# Altium PCB Jetson AGX Xavier Carrier Board.PcbDoc (part 1 of 4)
Units mil, origin at the board's own origin, x right, y up, seen from the top; angles counter-clockwise.
Board outline 6000 x 4000 mil, 10 copper layers (Top Layer, Int1 (GND), Int2 (PWR), Int3 (Sign), Int4 (GND, Int5 (GND), Int6 (Sign), Int7 (PWR), Int8 (GND), Bottom Layer), stack 61.78 mil thick; 553 components, 749 nets, 2510 pads, 297 vias.
Unrouted connection lines stored in the file: 1324.
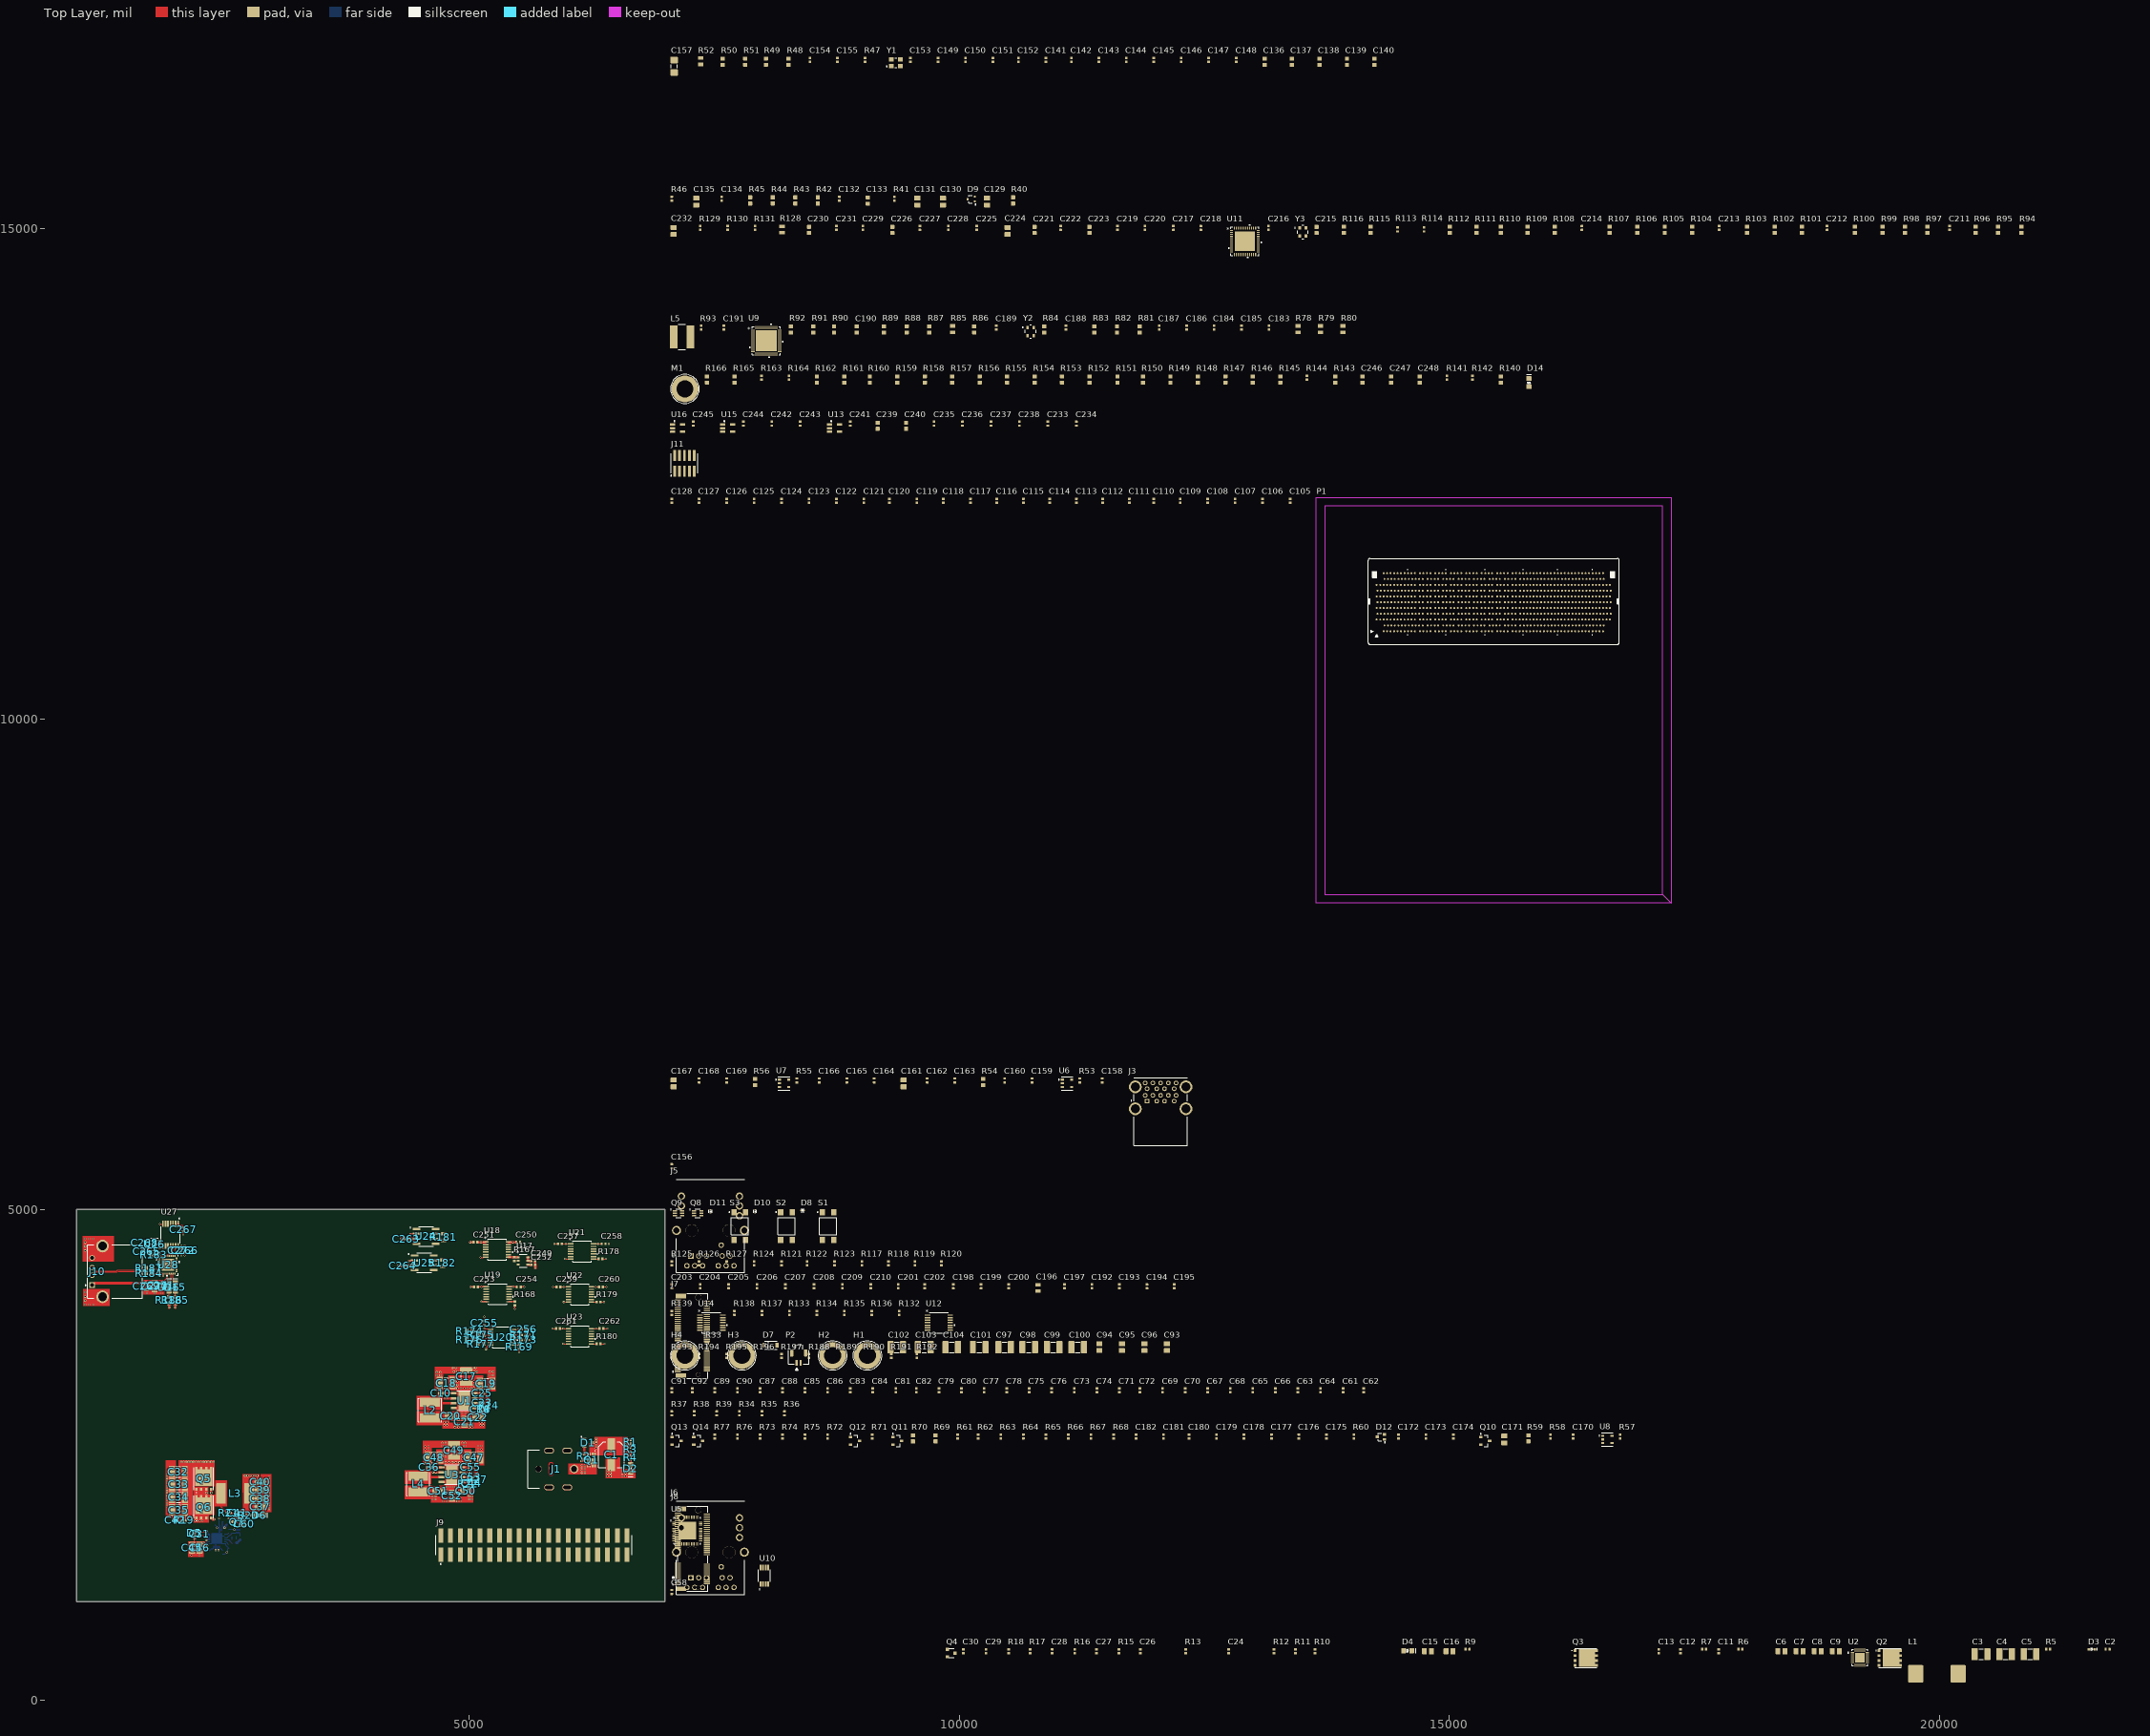
[diagram p0: Top Layer view]
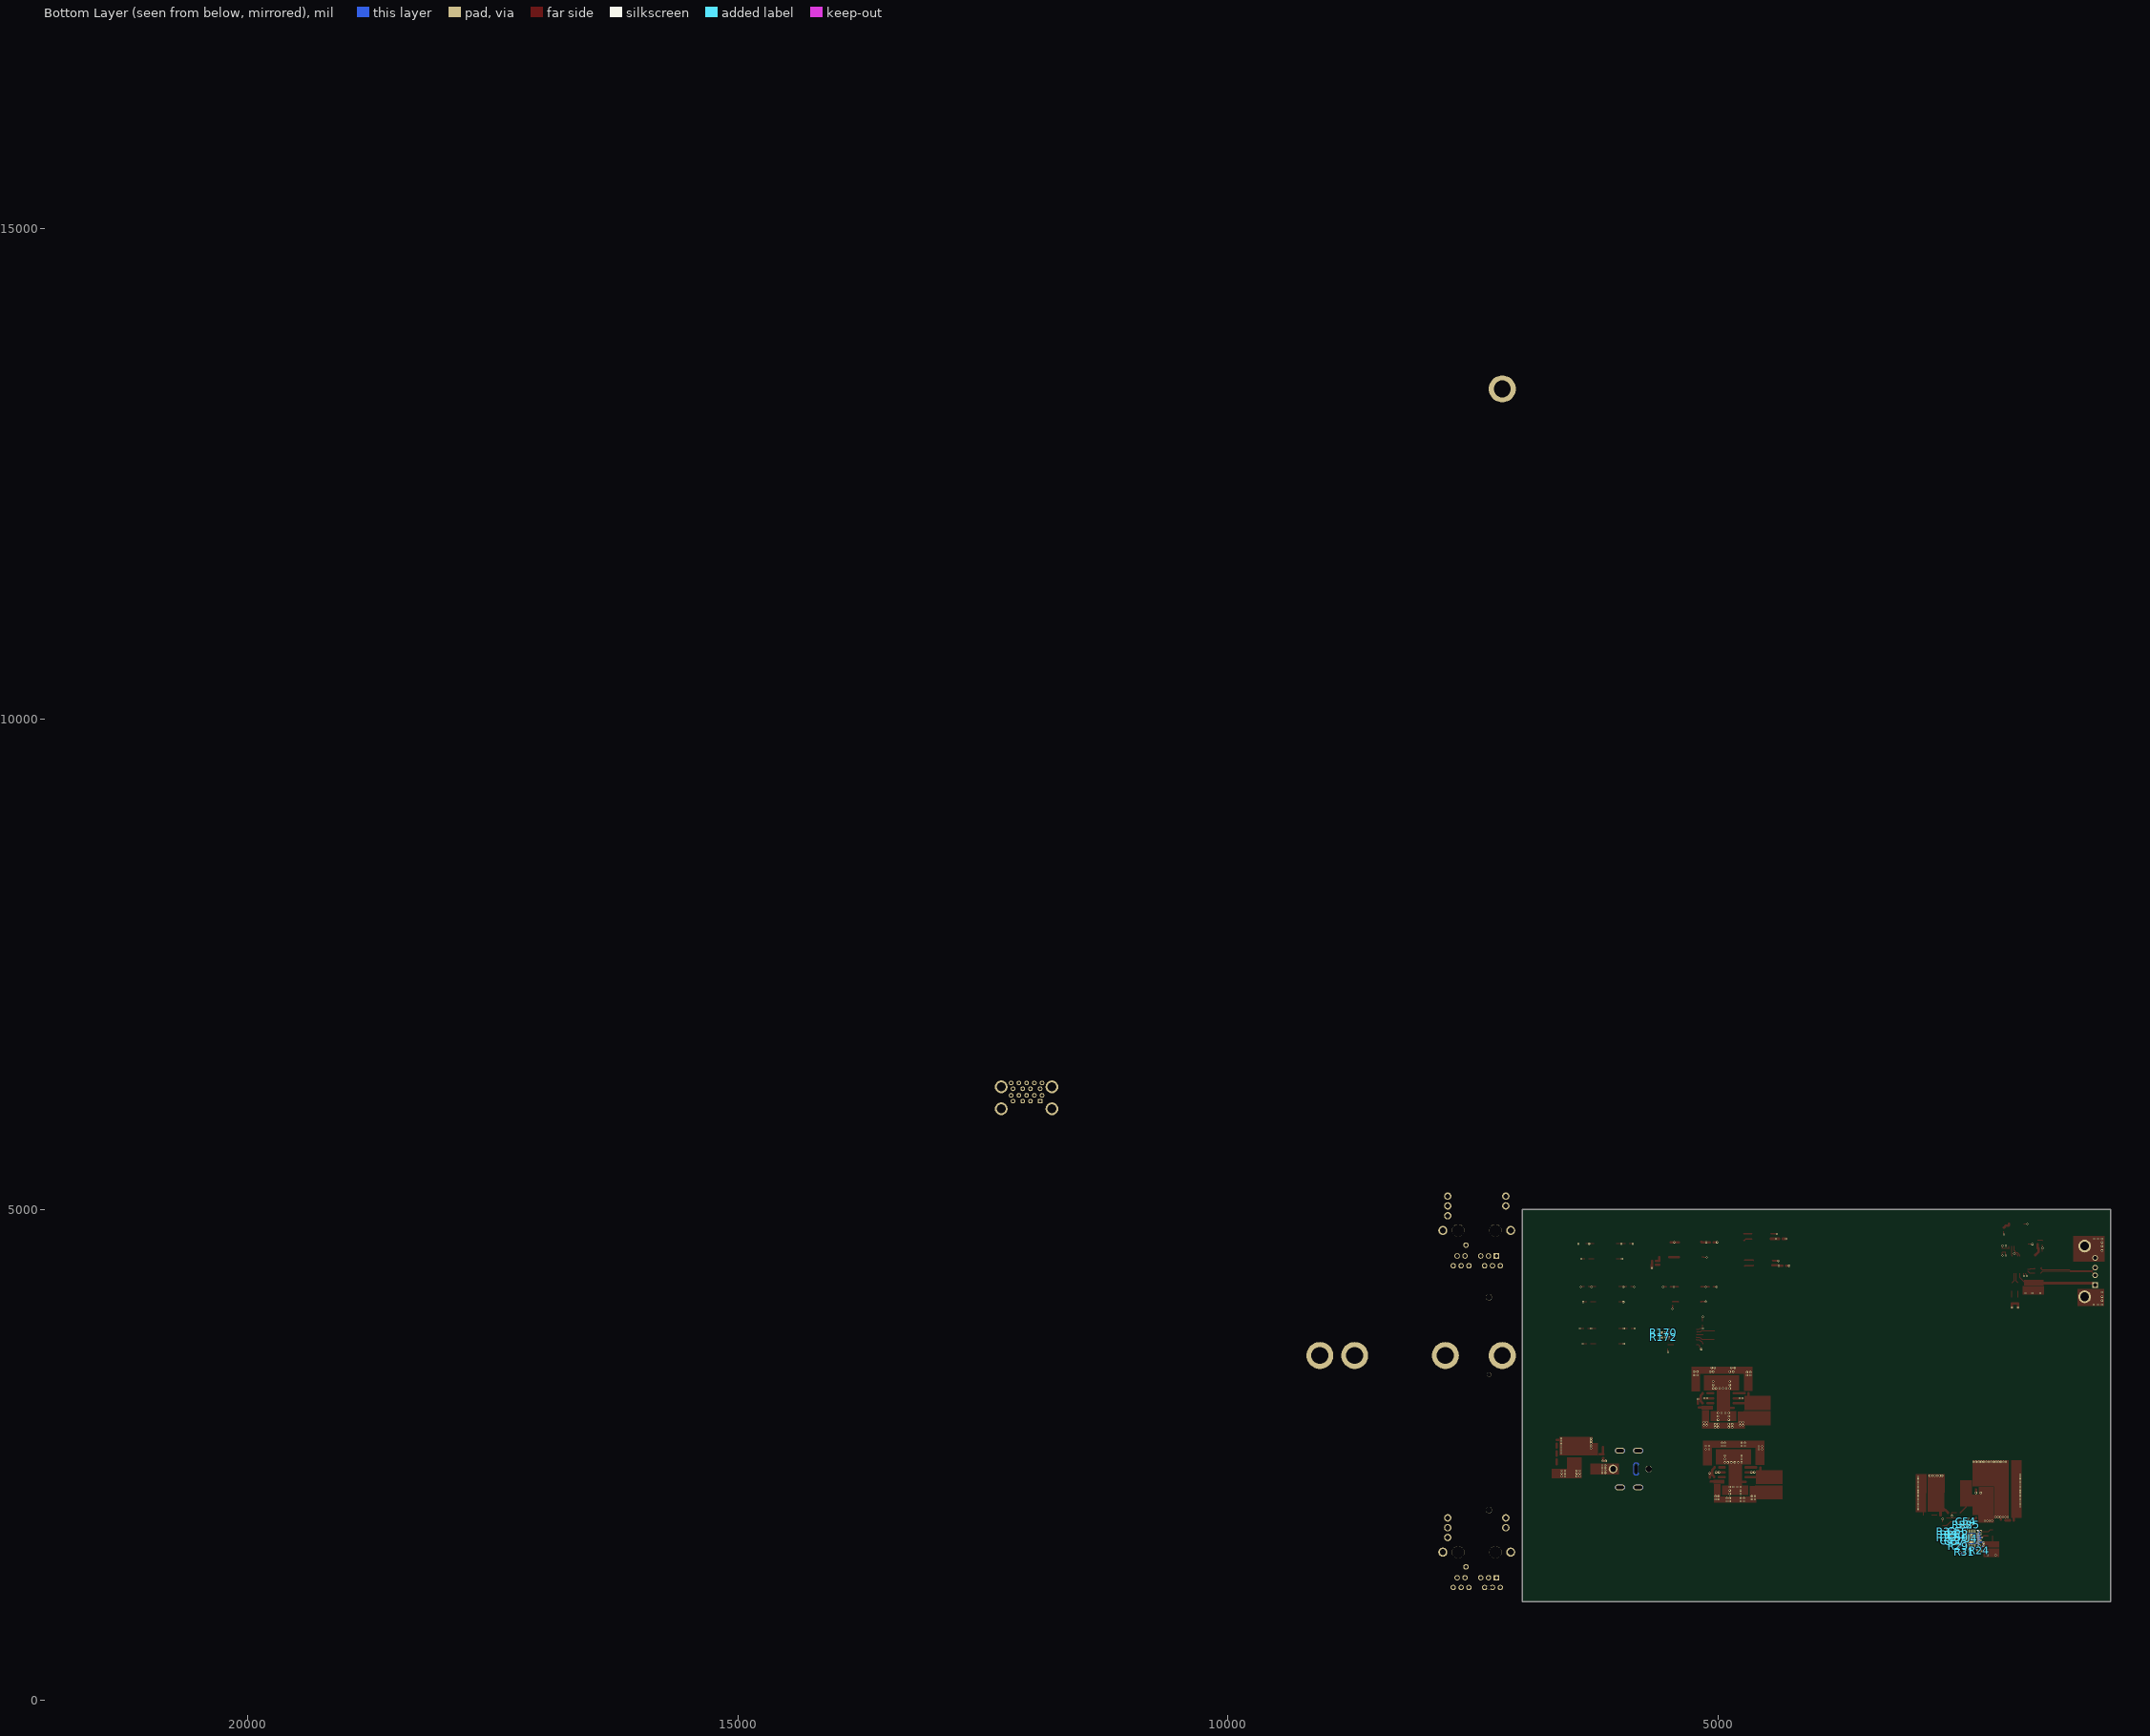
[diagram p1: Bottom Layer view, seen from below]
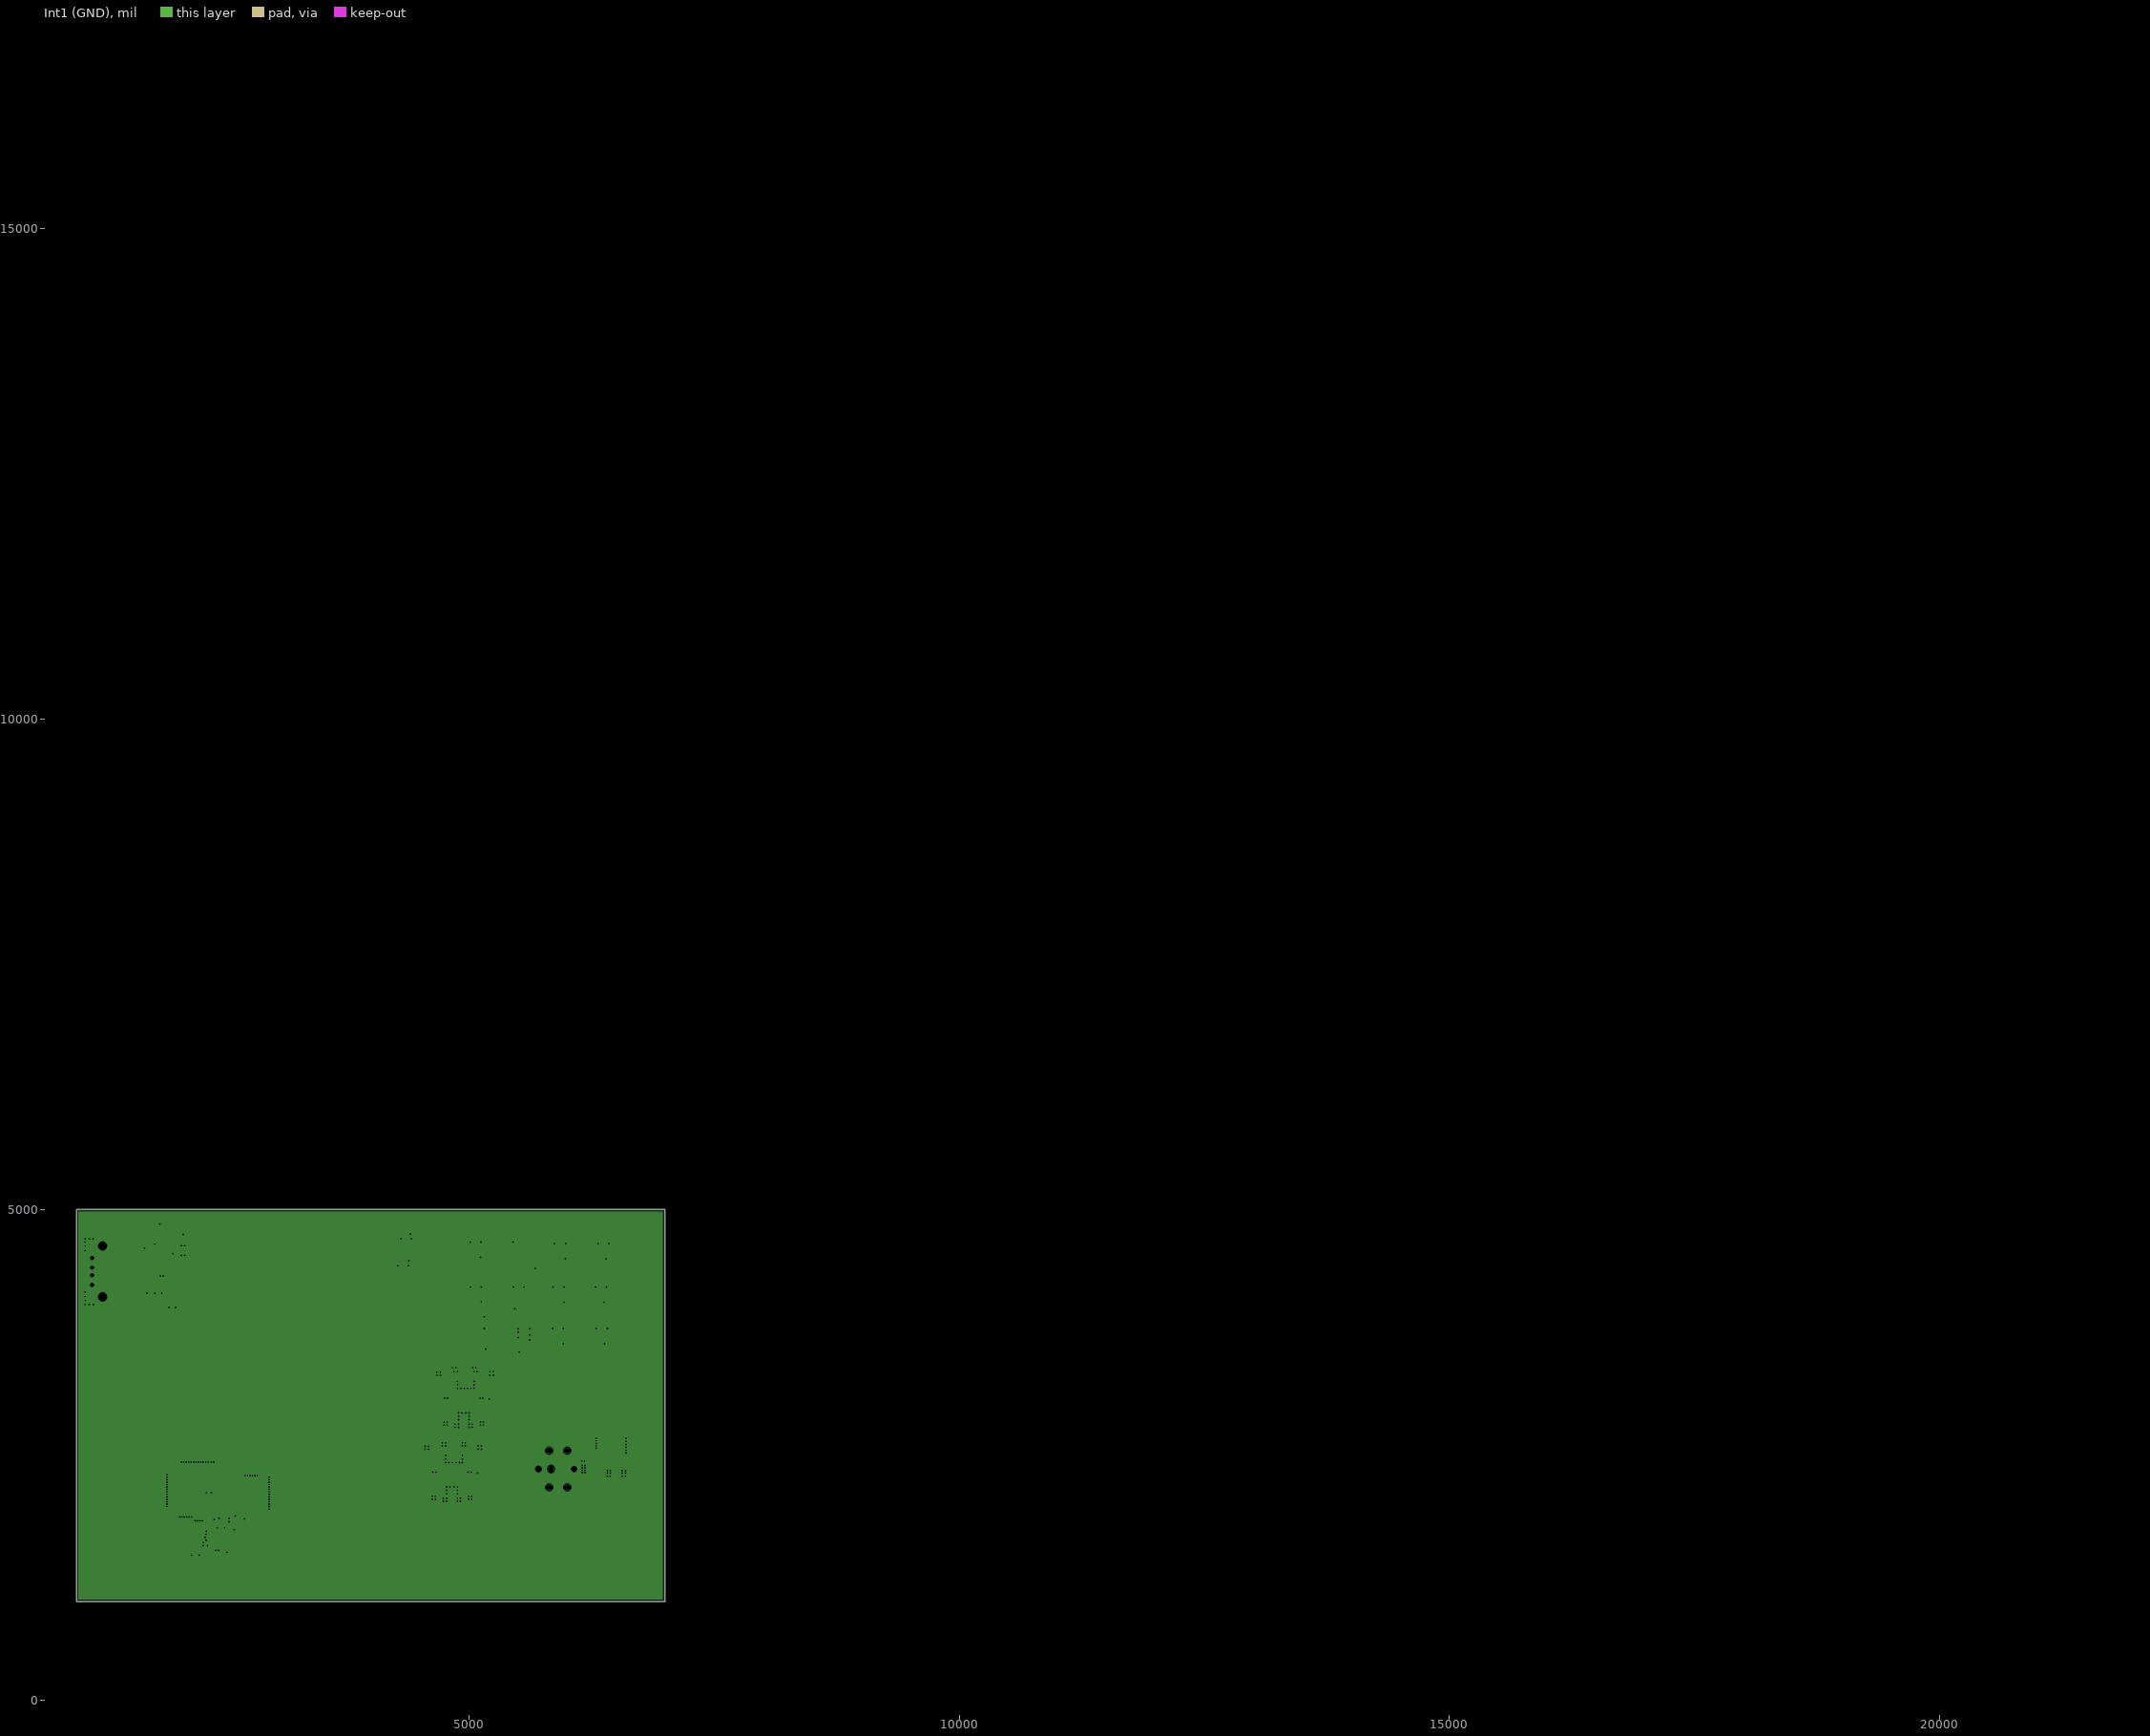
[diagram p2: Int1 (GND), clearances drawn from the general rule]
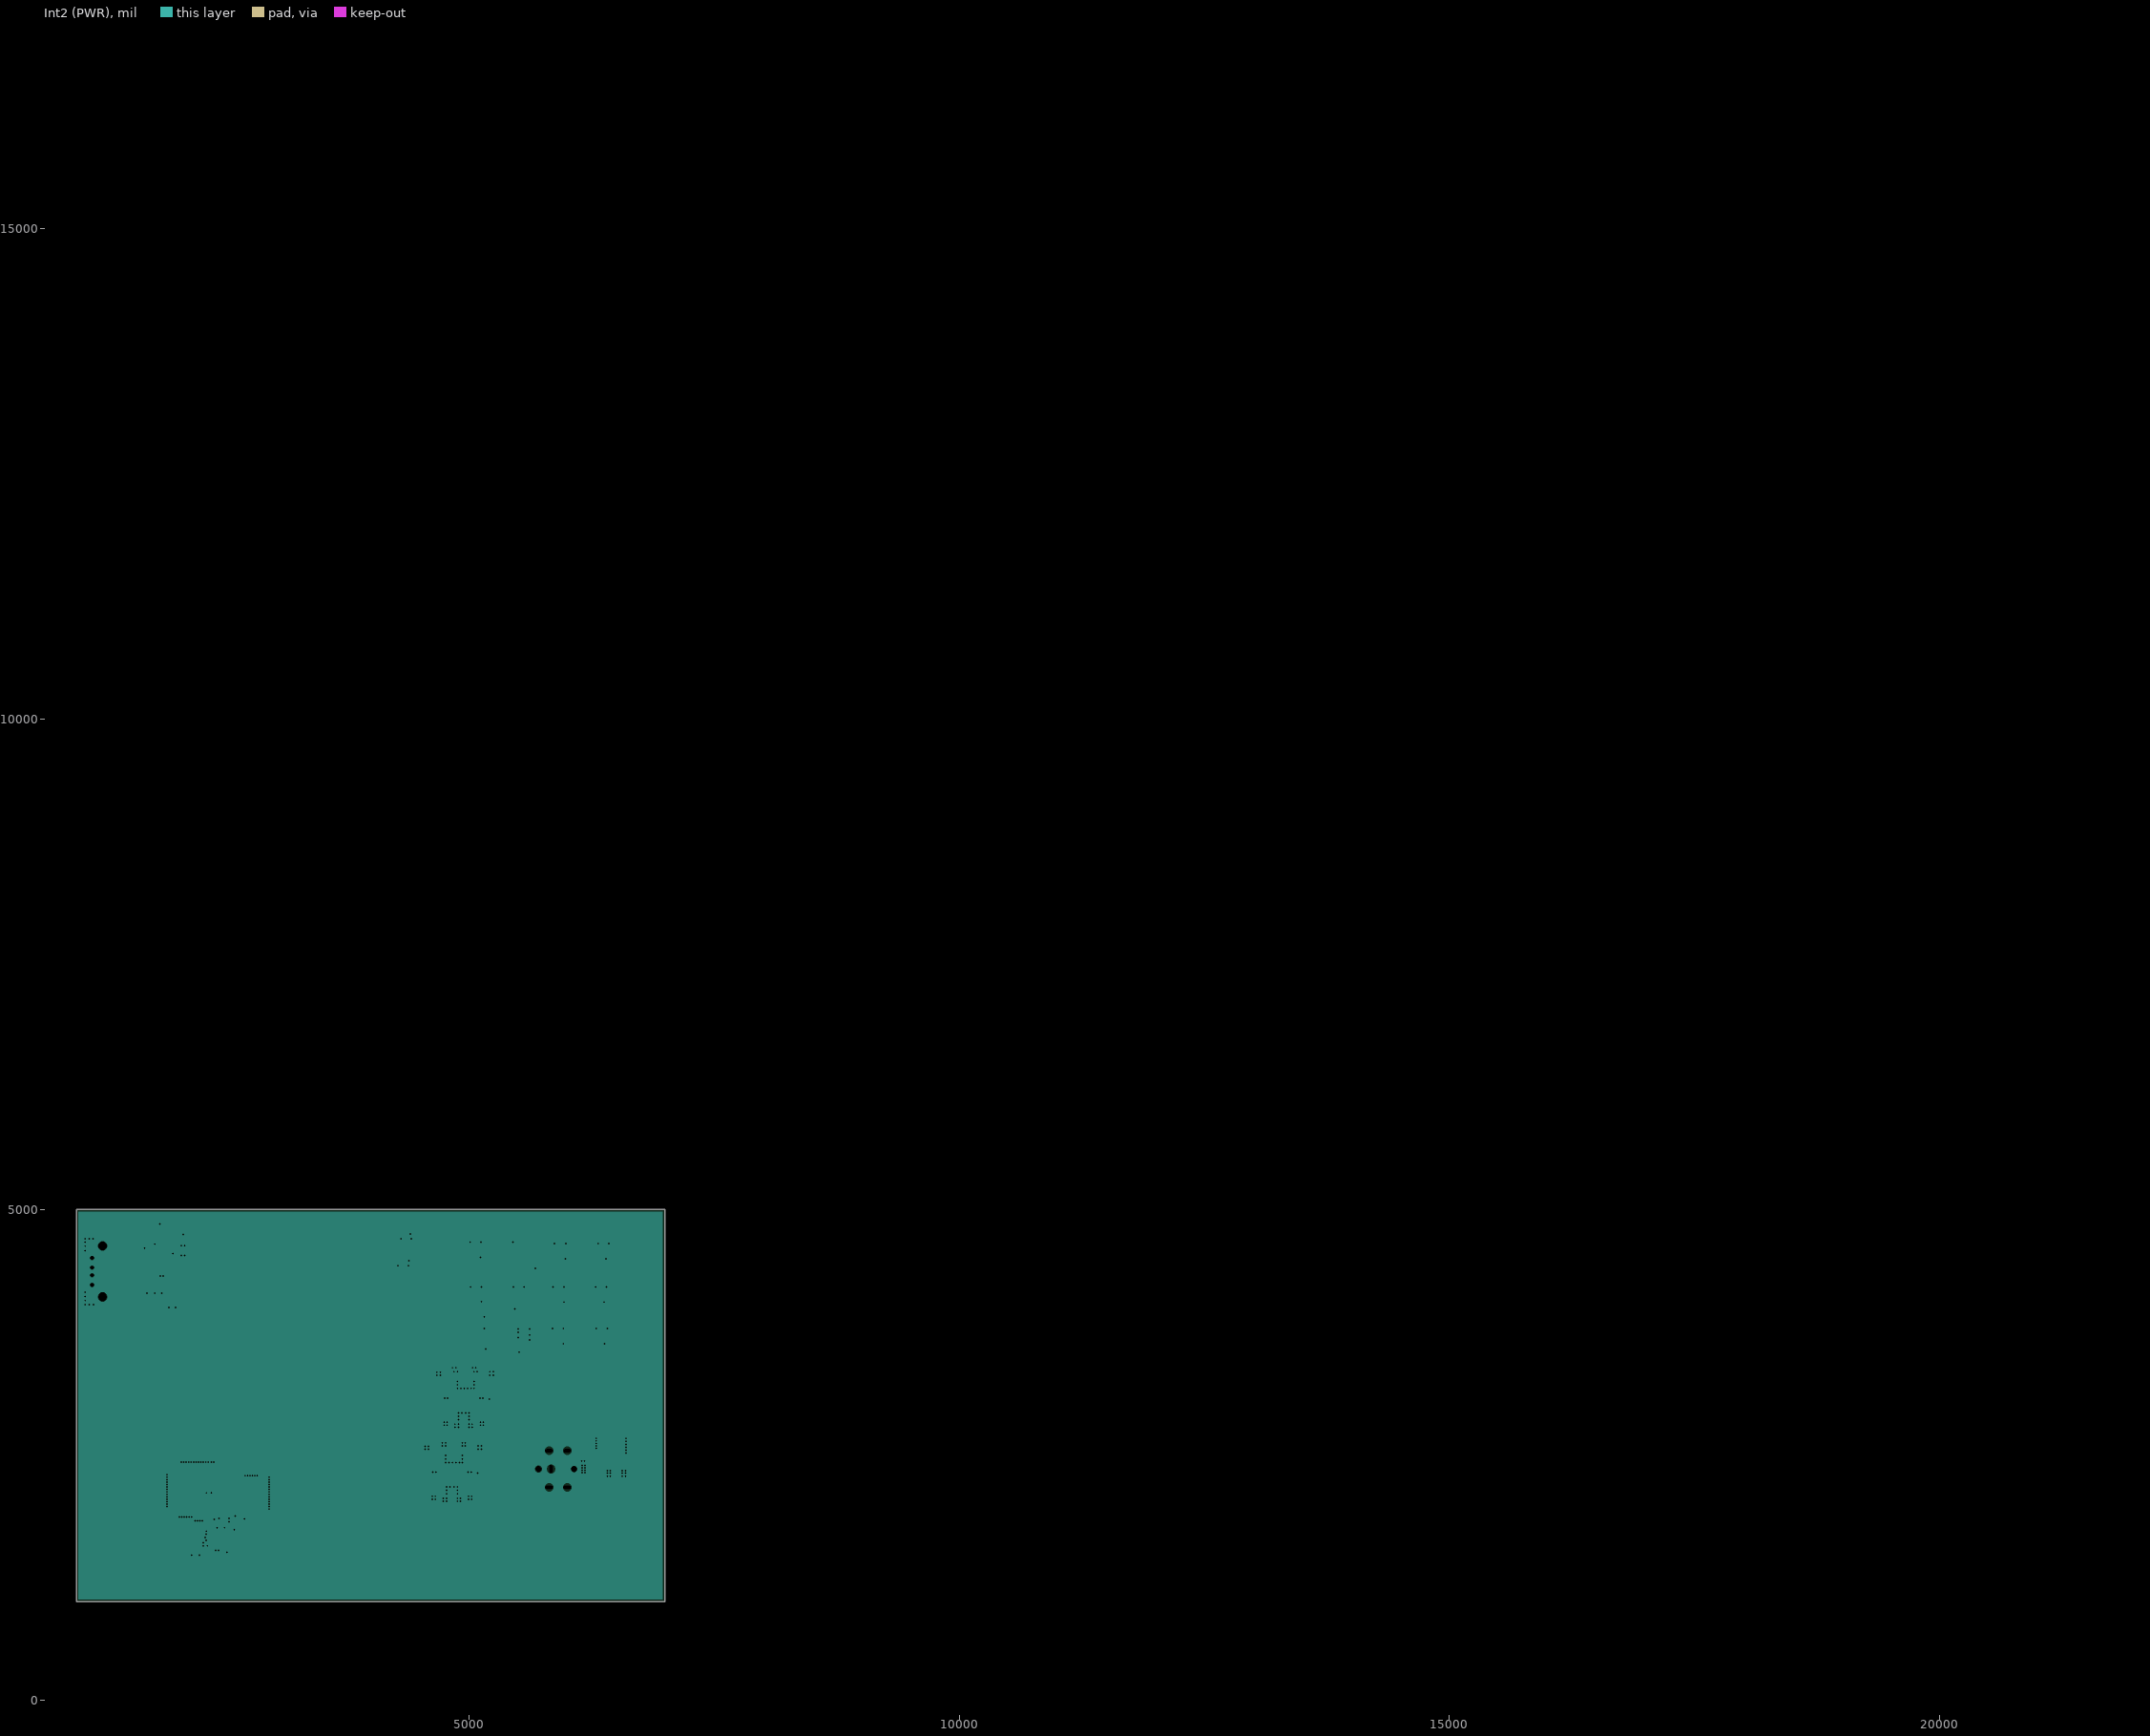
[diagram p3: Int2 (PWR), clearances drawn from the general rule]